# Altium PCB Motor_Controller_v2_1b.PcbDoc (part 2 of 2) (continued)
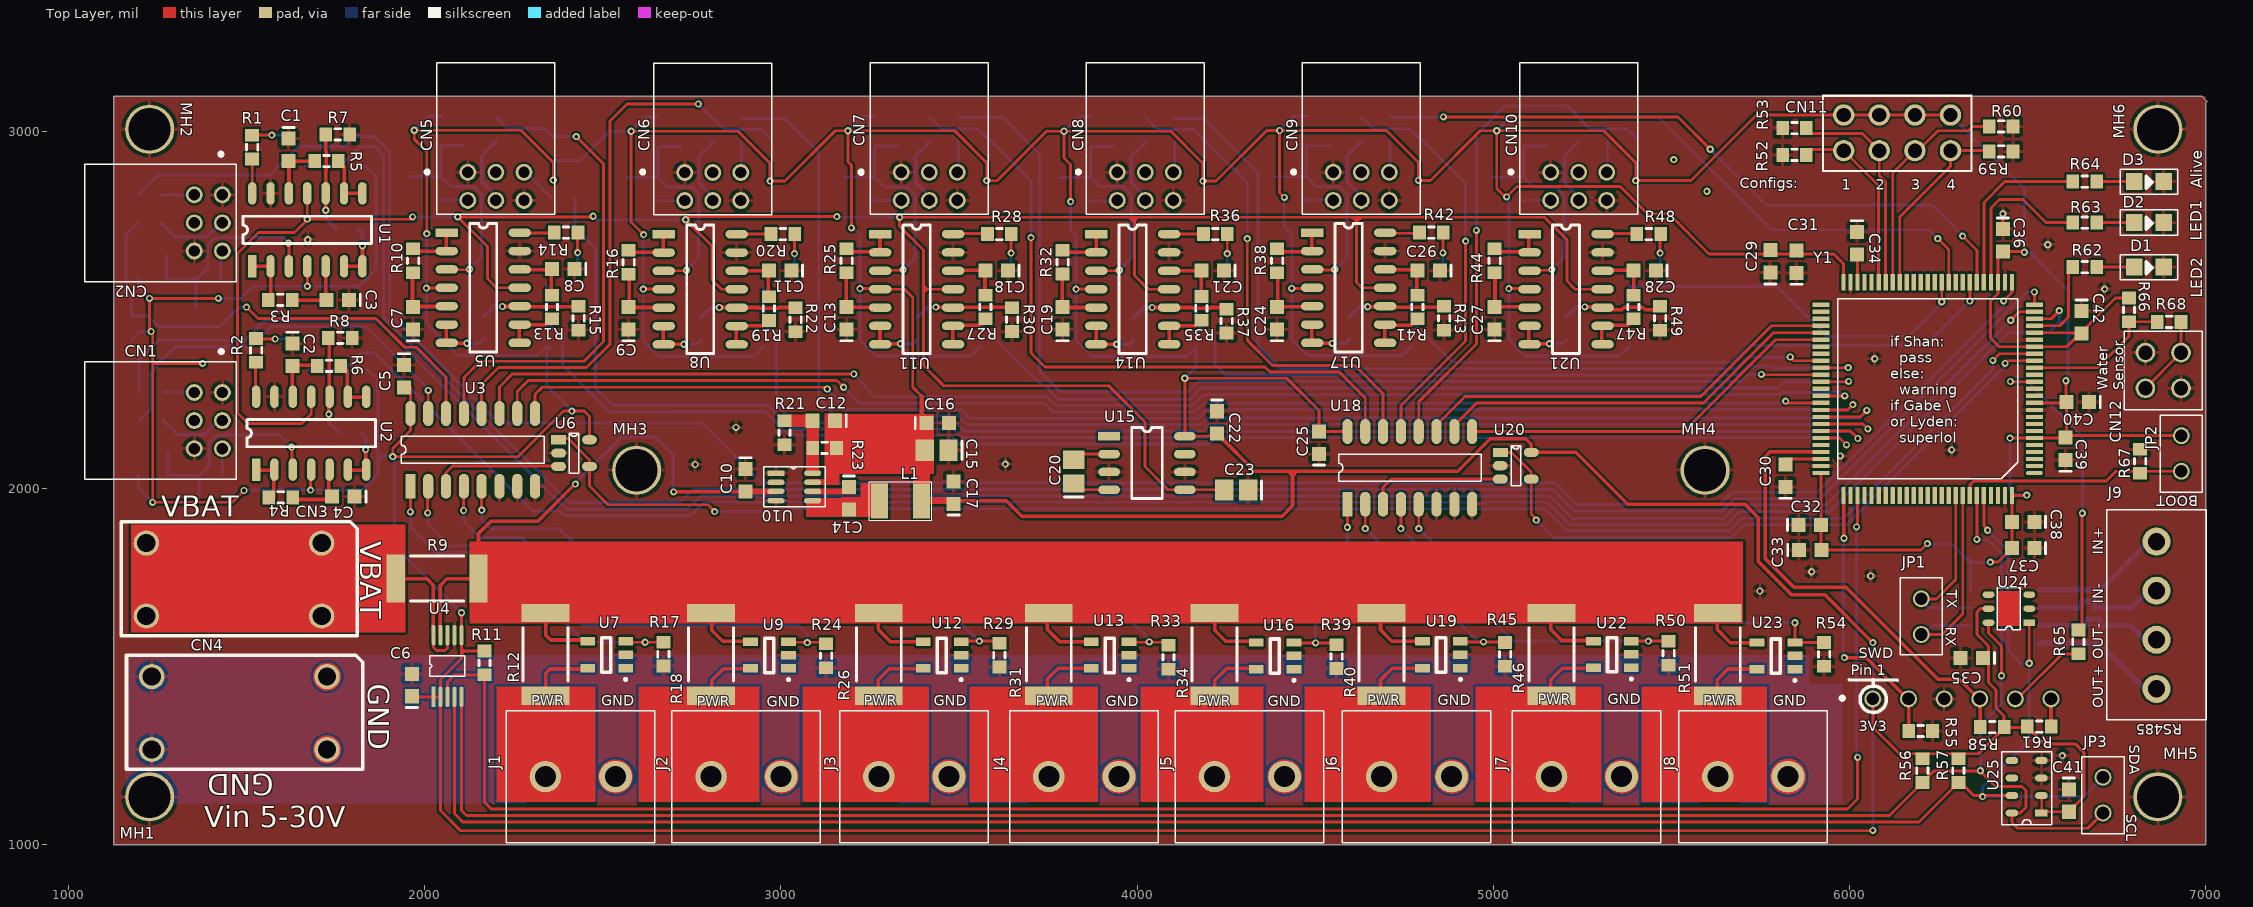
[diagram p0: Top Layer view]
## Nets (pads, with @x,y where several pads share a name; then routed paths per layer and width w, separated by ;. In a path a pad name is that pad's centre, name@x,y a point inside that pad or via, vN(x,y) a via of type N, cw(c..) or ccw(c..) an arc to the next point about the centre after c; other vN are vias at no path point) (continued)
NetJ3_2: J3.2 R26.1 U12.5 | length 187.6
  Top Layer w10: R26.1@3273,1417.86 3273,1462 3304,1493 U12.5@3403.6,1493
NetJ4_2: J4.2 R31.1 U13.5 | length 187.6
  Top Layer w10: R31.1@3747,1418.86 3747,1463 3778,1494 U13.5@3877.6,1494
NetJ5_2: J5.2 R34.1 U16.5 | length 188.8
  Top Layer w10: R34.1@4218,1415.86 4218,1460 4252,1494 U16.5@4348.6,1494
NetJ6_2: J6.2 R40.1 U19.5 | length 188.4
  Top Layer w10: R40.1@4683,1416.86 4683,1461 4716,1494 U19.5@4813.6,1494
NetJ7_2: J7.2 R46.1 U22.5 | length 188
  Top Layer w10: R46.1@5161,1417.86 5161,1462 5193,1494 U22.5@5291.6,1494
NetJ8_2: J8.2 R51.1 U23.5 | length 168.4
  Top Layer w10: R51.1@5628,1417.86 5628,1462 5658,1492 U23.5@5739.85,1492
NetJP1_1: JP1.1 U26.2 Y1.92 | length 501
  Top Layer w8: JP1.1@6201,1688.95 6243.95,1688.95 6297.79,1742.79 Y1.92@6297.79,1979.24
  Bottom Layer w8: JP1.1@6201,1683 6219.85,1664.15 U26.2@6338.68,1664.15
NetJP1_2: JP1.2 U26.3 Y1.93 | length 623.6
  Top Layer w8: JP1.2@6201,1588.95 6259.95,1588.95 6317.47,1646.47 Y1.93@6317.47,1979.24
  Bottom Layer w8: JP1.2@6201,1583 6232.15,1614.15 U26.3@6338.68,1614.15
NetQ1_1: Q1.1 R48.2 | length 111.8
  Top Layer w8: v1(5467.85,2659.47) R48.2@5467.85,2714.55
  Bottom Layer w8: Q1.1@5467.85,2602.74 v1(5467.85,2659.47)
NetQ2_1: Q2.1 R42.2 | length 111.8
  Top Layer w8: v1(4858.09,2660.17) R42.2@4858.09,2715.24
  Bottom Layer w8: Q2.1@4858.09,2603.43 v1(4858.09,2660.17)
NetQ3_1: Q3.1 R36.2 | length 111.8
  Top Layer w8: v1(4252.97,2657.91) R36.2@4252.97,2712.98
  Bottom Layer w8: Q3.1@4252.97,2601.17 v1(4252.97,2657.91)
NetQ4_1: Q4.1 R28.2 | length 111.8
  Top Layer w8: v1(3646.28,2659.24) R28.2@3646.28,2714.32
  Bottom Layer w8: Q4.1@3646.28,2602.51 v1(3646.28,2659.24)
NetQ5_1: Q5.1 R20.2 | length 111.8
  Top Layer w8: v1(3038.07,2657.99) R20.2@3038.07,2713.07
  Bottom Layer w8: Q5.1@3038.07,2601.26 v1(3038.07,2657.99)
NetQ6_1: Q6.1 R14.2 | length 111.8
  Top Layer w8: v1(2429.3,2660.68) R14.2@2429.3,2715.76
  Bottom Layer w8: Q6.1@2429.3,2603.94 v1(2429.3,2660.68)
NetQ7_1: Q7.1 R2.2 | length 111.8
  Top Layer w8: R2.2@1524.98,2418.34 v1(1580.06,2418.34)
  Bottom Layer w8: v1(1580.06,2418.34) Q7.1@1636.8,2418.34
NetQ8_1: Q8.1 R1.2 | length 111.8
  Top Layer w8: R1.2@1516.05,2990.78 v1(1571.13,2990.78)
  Bottom Layer w8: v1(1571.13,2990.78) Q8.1@1627.86,2990.78
NetR3_1: R3.1 U1.1 U1.2 | length 146.9
  Top Layer w10: U1.1@1516.05,2622.59 1567.62,2622.59 R3.1@1567.62,2527.32
NetR4_1: R4.1 U2.1 U2.2 | length 130.7
  Top Layer w10: U2.1@1524.98,2050.15 1576.56,2050.15 R4.1@1576.56,1971
NetR5_2: R5.2 U1.8 U1.9 | length 148.3
  Top Layer w10: R5.2@1757.66,2917.32 1773.92,2901.06 1773.92,2827.32 U1.8@1825.5,2827.32
NetR6_2: R6.2 U2.8 U2.9 | length 148.3
  Top Layer w10: R6.2@1766.6,2344.87 1782.86,2328.61 1782.86,2254.87 U2.8@1834.43,2254.87
NetR10_1: R10.1 U5.1 U5.2 | length 146.9
  Top Layer w10: R10.1@1965.83,2664.18 2061.11,2664.18 U5.1@2061.11,2715.76
NetR11_1: R11.1 U4.3 Y1.78 | length 5240.1
  Top Layer w8: U4.3@2064,1413.77 2064,1456 2083.54,1475.54 R11.1@2168,1475.54 2168,1118 2187,1099 5994,1099 6022,1127 v1(6022,1244) ; v1(6019,1891) 6022.2,1894.2 Y1.78@6022.2,1979.24
  Bottom Layer w8: v1(6019,1891) 6019,1247 v1(6022,1244)
NetR13_2: R13.2 U5.8 U5.9 | length 148.3
  Top Layer w10: U5.8@2265.83,2406.31 2265.83,2457.88 2339.57,2457.88 R13.2@2355.83,2474.14
NetR16_1: R16.1 U8.1 U8.2 | length 146.9
  Top Layer w10: R16.1@2574.61,2661.5 2669.88,2661.5 U8.1@2669.88,2713.07
NetR19_2: R19.2 U8.8 U8.9 | length 148.3
  Top Layer w10: U8.8@2874.61,2403.62 2874.61,2455.2 2948.35,2455.2 R19.2@2964.61,2471.46
NetR25_1: R25.1 U11.1 U11.2 | length 146.9
  Top Layer w10: R25.1@3182.81,2662.75 3278.09,2662.75 U11.1@3278.09,2714.32
NetR27_2: R27.2 U11.8 U11.9 | length 148.3
  Top Layer w10: U11.8@3482.81,2404.87 3482.81,2456.45 3556.55,2456.45 R27.2@3572.81,2472.71
NetR32_1: R32.1 U14.1 U14.2 | length 146.9
  Top Layer w10: R32.1@3789.5,2661.41 3884.78,2661.41 U14.1@3884.78,2712.98
NetR35_2: R35.2 U14.8 U14.9 | length 148.3
  Top Layer w10: U14.8@4089.5,2403.54 4089.5,2455.11 4163.24,2455.11 R35.2@4179.5,2471.37
NetR38_1: R38.1 U17.1 U17.2 | length 146.9
  Top Layer w10: R38.1@4394.63,2663.67 4489.91,2663.67 U17.1@4489.91,2715.24
NetR41_2: R41.2 U17.8 U17.9 | length 148.3
  Top Layer w10: U17.8@4694.63,2405.8 4694.63,2457.37 4768.37,2457.37 R41.2@4784.63,2473.63
NetR44_1: R44.1 U21.1 U21.2 | length 146.9
  Top Layer w10: R44.1@5004.39,2662.98 5099.66,2662.98 U21.1@5099.66,2714.55
NetR47_2: R47.2 U21.8 U21.9 | length 148.3
  Top Layer w10: U21.8@5304.39,2405.1 5304.39,2456.68 5378.13,2456.68 R47.2@5394.39,2472.94
NetR66_2: R66.2 R68.1 Y1.16 | length 415.5
  Top Layer w8: Y1.16@6518.26,2337.5 6695.5,2337.5 6784,2426 R66.2@6784,2466.54 R68.1@6856.54,2466.54
NetU3_3: U3.3 U6.3 | length 362.8
  Top Layer w8: U3.3@2060,2005 2060,2044 2078,2062 U6.3@2376.39,2062
NetU6_1: U6.1 U6.4 Y1.18 | length 4517
  Top Layer w8: U6.1@2376.39,2138.8 2403.2,2138.8 2463,2079 U6.4@2463,2064 ; U6.4@2462.61,2060.6 2462.61,2005.39 2515,1953 2795,1953 v1(2814,1934) ; v1(6402,2358.19) 6420.69,2376.87 Y1.18@6518.26,2376.87
  Bottom Layer w8: v1(2814,1934) 3013,1934 3021,1942 5144,1942 5207,1879 5661.54,1879 5697.54,1915 5983.6,1915 6402,2333.4 v1(6402,2358.19)
NetU18_3: U18.3 U20.3 | length 386.4
  Top Layer w8: U18.3@4690.24,1954.49 4690.24,2002.24 4713.2,2025.2 U20.3@5019.39,2025.2
NetU20_1: U20.1 U20.4 Y1.17 | length 1876.1
  Top Layer w8: U20.1@5019.39,2100 5051,2100 5106,2045 U20.4@5106,2025.2 5106,1927 v1@5119.5,1913.5 ; v1(6436,2349.97) 6443.22,2357.19 Y1.17@6518.26,2357.19
  Bottom Layer w8: v1(5120,1910) 5170,1860 5668,1860 5705,1897 5991.06,1897 6436,2341.94 v1(6436,2349.97)
NRST: R65.2 Y1.14 | length 878.3
  Top Layer w8: v1(6451,2299) 6451.87,2298.13 Y1.14@6518.26,2298.13 ; R65.2@6652,1601.46 v1@6652,1931
  Bottom Layer w8: v1@6451,2298 6500,2298 6653,2145 v1(6653,1929.19)
pole_M1: CN1.6 R107.2 | length 76.9
  Bottom Layer w8: CN1.6@1431.87,2111.13 1431.87,2036.53 R107.2@1433.53,2034.87
pole_M2: CN2.6 R108.2 | length 76.9
  Bottom Layer w8: CN2.6@1426.94,2663.57 1426.94,2588.97 R108.2@1428.59,2587.32
pole_M3: CN5.6 R103.2 | length 76.9
  Bottom Layer w8: R103.2@2045.83,2807.21 2047.49,2808.87 CN5.6@2122.09,2808.87
pole_M4: CN6.6 R97.2 | length 76.9
  Bottom Layer w8: R97.2@2654.61,2804.53 2656.26,2806.18 CN6.6@2730.87,2806.18
pole_M5: CN7.6 R91.2 | length 76.9
  Bottom Layer w8: R91.2@3262.81,2805.78 3264.46,2807.43 CN7.6@3339.07,2807.43
pole_M6: CN8.6 R85.2 | length 76.9
  Bottom Layer w8: R85.2@3869.5,2804.44 3871.16,2806.09 CN8.6@3945.76,2806.09
pole_M7: CN9.6 R79.2 | length 76.9
  Bottom Layer w8: R79.2@4474.63,2806.7 4476.28,2808.35 CN9.6@4550.89,2808.35
pole_M8: CN10.6 R73.2 | length 76.9
  Bottom Layer w8: R73.2@5084.39,2806.01 5086.04,2807.66 CN10.6@5160.65,2807.66
red: R63.2 Y1.29 | length 475.7
  Top Layer w8: Y1.29@6396.21,2577.66 6396.21,2786.21 6420,2810 6486,2810 6551,2745 R63.2@6626.54,2745
RPM1: Q7.3 R105.1 Y1.23 | length 5513.2
  Top Layer w8: Y1.23@6518.26,2475.3 6565.48,2475.3 v1(6588,2497.82)
  Bottom Layer w8: Q7.3@1674.2,2331.72 R105.1@1773.47,2331.72 ; R105.1@1772.88,2331.13 R105.1@1773.47,2331.72 ; R105.1@1774.67,2331.72 R105.1@1773.47,2331.72 ; v1@6589,2497.82 6589,2466 6559.36,2436.36 6446.23,2436.36 5943.87,1934 5691.09,1934 5654.09,1897 5214.46,1897 5151.46,1960 2784,1960 2747.1,1923.1 2389.44,1923.1 2376.54,1936 2303,1936 1860,2379 1820.75,2379 R105.1@1773.47,2331.72
RPM2: Q8.3 R106.1 Y1.25 | length 5881
  Top Layer w8: Y1.25@6518.26,2514.89 v1(6518.26,2550.19)
  Bottom Layer w8: Q8.3@1665.26,2904.17 R106.1@1765.73,2904.17 ; R106.1@1765.82,2905.87 1766.87,2905.87 1819,2958 1859,2958 1884,2933 1884,2480 2404.9,1959.1 2717.1,1959.1 2754,1996 5166.37,1996 5226.37,1936 5642.18,1936 5676.18,1970 5917,1970 6499,2552 v1@6515,2552
RPM3: Q6.3 R101.1 Y1.70 | length 4032
  Top Layer w8: Y1.70@5919.84,2140.65 5971.35,2140.65 v1(5991,2121)
  Bottom Layer w8: R101.1@2341.71,2466.75 2387,2421.46 2387,2345 2518,2214 2694.65,2214 2695.65,2215 2956.09,2215 3023.09,2148 3475.81,2148 3499.81,2124 4201.1,2124 4218.1,2141 5971,2141 v1(5991,2121) ; R101.1@2342.69,2466.07 Q6.3@2342.69,2566.54
RPM4: Q5.3 R94.1 Y1.68 | length 3588.2
  Top Layer w8: Y1.68@5919.84,2180.02 6036.98,2180.02 v1(6051,2166)
  Bottom Layer w8: R94.1@2950.6,2462.47 2988.08,2425 2988.08,2233.92 3038,2184 3490.72,2184 3514.72,2160 4186.19,2160 4205.01,2178.82 6038.18,2178.82 v1(6051,2166) ; R94.1@2951.46,2463.39 Q5.3@2951.46,2563.86
RPM5: Q4.3 R88.1 Y1.62 | length 2716
  Top Layer w8: Y1.62@5919.84,2298.13 5995.63,2298.13 v1(5997,2299.5)
  Bottom Layer w8: R88.1@3558.24,2462.82 3734.06,2287 3741.54,2287 3778.54,2250 4148.91,2250 4179.85,2280.94 5797.54,2280.94 5814.6,2298 v1@5988,2298 ; R88.1@3559.66,2464.64 Q4.3@3559.66,2565.11
RPM6: Q3.3 R82.1 Y1.60 | length 2117.9
  Top Layer w8: Y1.60@5919.84,2337.5 5995.69,2337.5 v1(5996,2337.82)
  Bottom Layer w8: R82.1@4164.54,2462.82 4218,2409.36 4218,2348 4249.06,2316.94 5688.03,2316.94 5714.09,2343 5780,2343 5786,2337 v1@5996,2337 ; R82.1@4166.35,2463.3 Q3.3@4166.35,2563.77
RPM7: Q2.3 R76.1 Y1.32 | length 1837.7
  Top Layer w8: v1(6337.16,2525.03) Y1.32@6337.16,2577.66
  Bottom Layer w8: R76.1@4770.84,2466.76 R76.1@4771.48,2466.12 ; R76.1@4771.48,2465.56 R76.1@4771.48,2466.12 ; Q2.3@4771.48,2566.03 R76.1@4771.48,2466.12 ; v1@6337,2525 6212,2400 5720.18,2400 5673.11,2352.94 4884.66,2352.94 R76.1@4771.48,2466.12
RPM8: Q1.3 R70.1 Y1.36 | length 1131.3
  Top Layer w8: v1(6258.42,2522.77) Y1.36@6258.42,2577.66
  Bottom Layer w8: Q1.3@5381.08,2565.18 Q1.3@5381.24,2565.18 ; R70.1@5381.24,2464.87 Q1.3@5381.24,2565.18 ; Q1.3@5381.24,2565.34 Q1.3@5381.24,2565.18 ; v1@6260,2521 6165,2426 5936,2426 5796.82,2565.18 Q1.3@5381.24,2565.18
RS485_IN_N: J9.2 U26.7 | length 356.1
  Bottom Layer w15: U26.7@6531.59,1664.15 6633.64,1664.15 6651.14,1664.15 6651.14,1682.33 6686.14,1682.33 6686.14,1664.15 6711.64,1664.15 6791,1664.15 J9.2@6833.64,1706.78
RS485_IN_P: J9.1 U26.8 | length 356.1
  Bottom Layer w15: U26.8@6531.59,1714.15 6703.21,1714.15 J9.1@6833.64,1844.57
RS485_OUT_N: J9.3 U26.6 | length 357.1
  Bottom Layer w15: U26.6@6531.59,1614.15 6649.64,1614.15 6667.14,1614.15 6667.14,1632.33 6702.14,1632.33 6702.14,1614.15 6752.64,1614.15 6788.48,1614.15 J9.3@6833.64,1568.98
RS485_OUT_P: J9.4 U26.5 | length 357.1
  Bottom Layer w15: U26.5@6531.59,1564.15 6700.68,1564.15 J9.4@6833.64,1431.19
SCL: JP3.1 R56.1 U4.5 U24.6 U25.8 Y1.95 | length 6201.6
  Top Layer w8: U4.5@2103.37,1413.77 2103.37,1094.63 2117,1081 6111.46,1081 R56.1@6204,1173.54 6235.72,1205.25 6365.75,1205.25 6408.84,1162.16 6483.84,1162.16 6495,1151 6495,1104 6478.57,1087.57 U25.8@6455.32,1087.57 6455.32,1060.68 6471,1045 6668,1045 JP3.1@6711,1088 ; v1(6356.84,1856) Y1.95@6356.84,1979.24 ; U24.6@6389.83,1622 6389.83,1593.17 6426,1557 v1(6426,1473)
  Bottom Layer w8: v1@6359,1855 6388,1855 6426,1817 v1(6426,1473) ; v1(6366.75,1206.25) 6366.75,1334.75 6425,1393 v1@6425,1479
SDA: JP3.2 R57.1 U4.4 U24.1 U25.7 Y1.96 | length 6210.2
  Top Layer w8: U4.4@2083.68,1413.77 2083.68,1086.32 2107,1063 6194.46,1063 R57.1@6305,1173.54 6311.46,1173.54 6348.21,1136.79 U25.7@6455.32,1136.79 ; Y1.96@6376.53,1979.24 6376.53,1893.93 6387,1883.46 v1(6387,1881.46) ; v1(6504,1508) U24.1@6504,1622
  Bottom Layer w8: v1(6387,1881.46) 6444,1824.46 6444,1545 6481,1508 v1(6504,1508) 6504,1292 6373,1161 v1(6373,1133.79) 6656.79,1133.79 JP3.2@6711,1188
Signal_In_M1: D17.A D18.K R107.1 R109.2 U2.3 | length 637.2
  Top Layer w8: v1(1626.6,2114.87) 1628.13,2113.34 U2.3@1628.13,2050.15
  Bottom Layer w8: D18.K@1279.47,2099.87 1279.47,2034.87 R107.1@1364.67,2034.87 ; R109.2@1366.6,1972 1366.6,2034.87 1394.25,2062.53 1394.25,2126.72 1416.29,2148.76 1592.72,2148.76 v1(1626.6,2114.87)
Signal_In_M2: D16.K D19.A R108.1 R110.2 U1.3 | length 646.5
  Top Layer w8: v1(1617.66,2687.32) 1619.2,2685.78 U1.3@1619.2,2622.59
  Bottom Layer w8: D16.K@1274.54,2652.32 1274.54,2587.32 R108.1@1359.73,2587.32 ; R110.2@1357.46,2505 1357.46,2583.75 R108.1@1360.37,2586.65 ; R108.1@1361.66,2587.32 1391.21,2616.87 1391.21,2680.98 1391.17,2681.02 1411.35,2701.2 1414.93,2701.2 1416.75,2703.02 1601.96,2703.02 v1(1617.66,2687.32)
Signal_In_M3: D14.K D15.A R103.1 R104.2 U5.3 | length 659.4
  Top Layer w8: U5.3@2061.11,2612.61 2124.3,2612.61 v1(2125.83,2614.14)
  Bottom Layer w8: R104.2@1960.83,2874.14 2045.83,2874.14 2073.49,2846.49 2137.68,2846.49 2159.72,2824.45 2159.72,2648.02 v1(2125.83,2614.14) ; R103.1@2045.83,2876.07 2045.83,2961.27 D14.K@2110.83,2961.27
Signal_In_M4: D12.K D13.A R97.1 R98.2 U8.3 | length 663.3
  Top Layer w8: U8.3@2669.88,2609.92 2733.07,2609.92 v1(2734.61,2611.46)
  Bottom Layer w8: R98.2@2569.61,2871.46 2654.61,2871.46 2681.48,2844.58 2752.42,2844.58 2768.49,2828.51 2768.49,2645.34 v1(2734.61,2611.46) ; R97.1@2654.61,2873.39 2654.61,2958.58 D12.K@2719.61,2958.58
Signal_In_M5: D10.K D11.A R91.1 R92.2 U11.3 | length 659.4
  Top Layer w8: U11.3@3278.09,2611.17 3341.28,2611.17 v1(3342.81,2612.71)
  Bottom Layer w8: R92.2@3177.81,2872.71 3262.81,2872.71 3290.46,2845.06 3354.65,2845.06 3376.69,2823.02 3376.69,2646.59 v1(3342.81,2612.71) ; R91.1@3262.81,2874.64 3262.81,2959.83 D10.K@3327.81,2959.83
Signal_In_M6: D8.K D9.A R85.1 R86.2 U14.3 | length 659.4
  Top Layer w8: U14.3@3884.78,2609.83 3947.97,2609.83 v1(3949.5,2611.37)
  Bottom Layer w8: R86.2@3784.5,2871.37 3869.5,2871.37 3893.87,2847 3958.06,2847 3983.39,2821.68 3983.39,2645.25 v1(3949.5,2611.37) ; R85.1@3869.5,2873.3 3869.5,2958.5 D8.K@3934.5,2958.5
Signal_In_M7: D6.K D7.A R79.1 R80.2 U17.3 | length 659.4
  Top Layer w8: U17.3@4489.91,2612.09 4553.09,2612.09 v1(4554.63,2613.63)
  Bottom Layer w8: R80.2@4389.63,2873.63 4474.63,2873.63 4502.28,2845.98 4566.47,2845.98 4588.51,2823.94 4588.51,2647.51 v1(4554.63,2613.63) ; R79.1@4474.63,2875.56 4474.63,2960.76 D6.K@4539.63,2960.76
Signal_In_M8: D4.K D5.A R73.1 R74.2 U21.3 | length 659.4
  Top Layer w8: U21.3@5099.66,2611.4 5162.85,2611.4 v1(5164.39,2612.94)
  Bottom Layer w8: R74.2@4999.39,2872.94 5084.39,2872.94 5112.04,2845.28 5176.23,2845.28 5198.27,2823.24 5198.27,2646.82 v1(5164.39,2612.94) ; R73.1@5084.39,2874.87 5084.39,2960.06 D4.K@5149.39,2960.06
Signal_Out_M1: R2.1 U2.14 | length 96.5
  Top Layer w8: U2.14@1524.98,2254.87 R2.1@1524.98,2351.41
Signal_Out_M2: R1.1 U1.14 | length 96.5
  Top Layer w8: U1.14@1516.05,2827.32 R1.1@1516.05,2923.85
Signal_Out_M3: R14.1 U5.14 | length 96.5
  Top Layer w8: U5.14@2265.83,2715.76 R14.1@2362.37,2715.76
Signal_Out_M4: R20.1 U8.14 | length 96.5
  Top Layer w8: U8.14@2874.61,2713.07 R20.1@2971.14,2713.07
Signal_Out_M5: R28.1 U11.14 | length 96.5
  Top Layer w8: U11.14@3482.81,2714.32 R28.1@3579.35,2714.32
Signal_Out_M6: R36.1 U14.14 | length 96.5
  Top Layer w8: U14.14@4089.5,2712.98 R36.1@4186.04,2712.98
Signal_Out_M7: R42.1 U17.14 | length 96.5
  Top Layer w8: U17.14@4694.63,2715.24 R42.1@4791.17,2715.24
Signal_Out_M8: R48.1 U21.14 | length 96.5
  Top Layer w8: U21.14@5304.39,2714.55 R48.1@5400.92,2714.55
SWCLK: CN13.2 R55.2 Y1.76 | length 773.8
  Top Layer w10: Y1.76@5982.83,1979.24 5982.83,1860.17 v1(5984,1859) ; v1(5985,1524) 6046.58,1524 6165.58,1405 R55.2@6165.58,1318
  Bottom Layer w10: v1@5982,1859 5982,1527 v1(5985,1524)
SWDIO: CN13.4 R58.1 Y1.72 | length 1302.8
  Top Layer w10: Y1.72@5919.84,2101.28 5776,2101.28 5763,2088.28 5763,1802 5844,1721 5990,1721 6248,1463 6307.58,1463 6366.12,1404.46 R58.1@6366.12,1318
SWO: CN13.6 R61.1 | length 85.5
  Top Layer w10: R61.1@6565.05,1319 CN13.6@6565.05,1404.46
Temp_Multpexer_Ctrl1: U18.9 Y1.56 | length 1086.2
  Top Layer w8: U18.9@4940.24,2158.82 5534.82,2158.82 5792,2416 5874,2416 5874.24,2416.24 Y1.56@5919.84,2416.24
Temp_Multpexer_Ctrl2: U18.10 Y1.55 | length 1154.6
  Top Layer w8: U18.10@4890.24,2158.82 4890.24,2176.24 4953,2239 5589.54,2239 5786.47,2435.93 Y1.55@5919.84,2435.93
Temp_Multpexer_Ctrl3: U18.11 Y1.54 | length 1213.3
  Top Layer w8: U18.11@4840.24,2158.82 4840.24,2177.24 4920,2257 5582.09,2257 5780.7,2455.61 Y1.54@5919.84,2455.61
Therm_ADC1: R111.1 R112.1 U3.15 | length 1118.1
  Top Layer w8: U3.15@2010,2209.33 v1(2010,2274)
  Bottom Layer w8: R112.1@1199.67,2189.87 1231.6,2221.8 1231.6,2324.87 1254.67,2347.94 R111.1@1254.67,2349.87 ; R111.1@1253.2,2350.82 1298.38,2396 1513,2396 1570,2453 1834,2453 v1@2009,2278
Therm_ADC2: R114.1 R116.1 U3.14 | length 1383.4
  Top Layer w8: v1(1500,2508) 1532,2476 1863,2476 1944,2395 1977,2395 2060,2312 U3.14@2060,2209.33
  Bottom Layer w8: R114.1@1195.02,2744.13 1162,2711.12 1162,2551 1177,2536 R116.1@1177,2482.46 1223.05,2482.46 1252.52,2453 1424,2453 1479,2508 v1(1500,2508)
Therm_ADC3: R100.1 R102.1 U3.13 | length 1392
  Top Layer w8: U3.13@2110,2209.33 2110,2310 2156,2356 2447,2356 2502,2411 2502,2910 v1(2425.57,2986.43)
  Bottom Layer w8: R102.1@2200.83,3041.07 2232.76,3009.14 2335.83,3009.14 2358.91,2986.07 R100.1@2360.83,2986.07 ; R100.1@2363.83,2984 R100.1@2361.39,2986.43 v1(2425.57,2986.43)
Therm_ADC4: R93.1 R96.1 U3.12 | length 1626
  Top Layer w8: U3.12@2160,2209.33 2160,2291 2207,2338 2454.46,2338 2520,2403.54 2520,3030 2568,3078 v1(2768.15,3078)
  Bottom Layer w8: v1@2766.15,3080 v1(2768.15,3078) R96.1@2808.87,3037.28 ; R96.1@2809.61,3038.39 2841.54,3006.46 2944.61,3006.46 2967.68,2983.39 R93.1@2969.61,2983.39
Therm_ADC5: R87.1 R90.1 U18.15 | length 1926.1
  Top Layer w8: v1(3702,2703) 3702,2379 3741,2340 4358.54,2340 4372.54,2326 4567,2326 4640.24,2252.76 U18.15@4640.24,2158.82
  Bottom Layer w8: R90.1@3417.81,3039.64 3449.74,3007.71 3552.81,3007.71 3575.88,2984.64 R87.1@3577.81,2984.64 ; R87.1@3577.93,2986.44 3702,2862.37 v1(3702,2703)
Therm_ADC6: R81.1 R84.1 U18.14 | length 1351.4
  Top Layer w8: v1(4309,2700) 4309,2415 4380,2344 4611,2344 4690.24,2264.76 U18.14@4690.24,2158.82
  Bottom Layer w8: R84.1@4024.5,3038.3 4056.43,3006.37 4159.5,3006.37 4182.58,2983.3 R81.1@4184.5,2983.3 ; R81.1@4184.23,2982.5 4309,2857.73 v1(4309,2700)
Therm_ADC7: R75.1 R78.1 U18.13 | length 1140.1
  Top Layer w8: U18.13@4740.24,2158.82 4740.24,2231.24 4922,2413 v1(4922,2693)
  Bottom Layer w8: R78.1@4629.63,3040.56 4661.56,3008.63 4764.63,3008.63 4787.7,2985.56 R75.1@4789.63,2985.56 ; R75.1@4790.53,2986.44 4922,2854.97 v1(4922,2693)
Therm_ADC8: R69.1 R72.1 U18.12 | length 1417.5
  Top Layer w8: U18.12@4790.24,2158.82 4790.24,2242.24 4952,2404 v1(4952,2723)
  Bottom Layer w8: v1(4952,2723) 4952,2993 5032,3073 5207.91,3073 R72.1@5239.35,3041.56 ; R72.1@5239.39,3039.87 5271.31,3007.94 5374.39,3007.94 5397.46,2984.87 R69.1@5399.39,2984.87
VCAP_1: C34.2 Y1.48 | length 78.3
  Top Layer w8: Y1.48@6022.2,2577.66 6022.2,2654.41 C34.2@6023.26,2655.47
VCAP_2: C30.2 Y1.73 | length 102.1
  Top Layer w8: C30.2@5817.76,2081.47 5817.88,2081.6 Y1.73@5919.84,2081.6
pads on no net: CN1.2 CN2.2 CN5.2 CN6.2 CN7.2 CN8.2 CN9.2 CN10.2 U7.1 U9.1 U10.2 U12.1 U13.1 U15.1 U15.7 U16.1 U19.1 U22.1 U23.1 U24.3 U24.4 U25.5 U25.6 Y1.1 Y1.2 Y1.3 Y1.4 Y1.5 Y1.7 Y1.8 Y1.9 Y1.12 Y1.13 Y1.15 Y1.33 Y1.34 Y1.37 Y1.38 Y1.39 Y1.40 Y1.41 Y1.46 Y1.47 Y1.51 Y1.52 Y1.53 Y1.57 Y1.58 Y1.63 Y1.71 Y1.77 Y1.79 Y1.80 Y1.81 Y1.82 Y1.83 Y1.84 Y1.85 Y1.86 Y1.87 Y1.88 Y1.89 Y1.90 Y1.91 Y1.97 Y1.98
copper on no net:
  other v1: 5599,2833 5506,2922

## Polygon pours and split planes (outlines as drawn)
GND on Top Layer "Top GND Plane" (solid, pour order 14): 1128,998 1128,3099 1127,3100 6999,3100 6999,1002 7000,1001
GND on Bottom Layer "Bot GND Plane" (solid, pour order 16): 7002,998 7001,997 1128,997 1128,3100 7000,3100

## Other copper
Top Layer:
  rectangle net NetC12_2: 3071,2035 3107,2135
  rectangle net 3V3: 3138,2092 3173,2208
  rectangle net NetC14_2: 3071,1918 3210,1972
  rectangle net NetC14_1: 3073,1982 3210,1998
  rectangle net 3V3: 3074,2008 3164,2026
  rectangle net 3V3: 3123,2009 3164,2209
  rectangle net NetC14_2: 3169,1918 3296,1975
  rectangle net NetC14_2: 3224,1918 3301,2014
  rectangle net 3V3: 3149.61,2040 3429,2208
  rectangle net Battery: 1176,1595 1946,1897
  rectangle net Battery-Shunted: 2126,1620 5701,1850
  rectangle net NetJ1_2: 2201.37,1119 2480,1443
  rectangle net NetJ2_2: 2600,1119 2940,1443
  rectangle net NetJ3_2: 3060,1119 3415,1443
  rectangle net NetJ4_2: 3530,1119 3890,1443
  rectangle net NetJ5_2: 4010,1119 4355,1443
  rectangle net NetJ6_2: 4470,1119 4825,1443
  rectangle net NetJ7_2: 4950,1119 5303.15,1443
  rectangle net NetJ8_2: 5415,1119 5768,1443
Bottom Layer:
  rectangle net GND: 1168,1248 5887,1531
  rectangle net GND: 1161,1115 2285,1311
  rectangle net GND: 2395,1119 2745,1443
  rectangle net GND: 2860,1119 3220,1443
  rectangle net GND: 3330,1114 3695,1438
  rectangle net GND: 3805,1119 4160,1443
  rectangle net GND: 4270,1119 4630,1443
  rectangle net GND: 4740,1119 5100,1443
  rectangle net GND: 5215,1115 5575,1439
  rectangle net GND: 5690,1115 5980,1450

## Silkscreen, mask and mechanical layers (free items; w line width, h text height)
Top Overlay:
  circle w10: c6066,1407 r37.12
  circle w10: c5979,1410.05 r5
  circle w10: c1429,2383.05 r5
  circle w10: c1428,2937.05 r5
  circle w10: c5049,2887.05 r5
  circle w10: c4439,2887.05 r5
  circle w10: c3835,2887.05 r5
  circle w10: c2612,2887.05 r5
  circle w10: c2007,2887.05 r5
  circle w10: c3225,2887.05 r5
  circle w10: c3225,2886.05 r5
  lines w10: 5999,1462 6134,1461 ; 6066,1444 6066,1462
  text "Configs:" at 5692,2841.99 h29.92
  text "Alive" at 6989,2842 h32 r90
  text "1" at 5978.01,2837 h29.92
  text "2" at 6073.03,2837 h29.92
  text "3" at 6173.03,2837 h29.92
  text "4" at 6273.03,2837 h29.92
  text "LED1" at 6988,2694 h32 r90
  text "LED2" at 6990,2534 h32 r90
  text "Water / Sensor" at 6769,2274 h29.92 r90
  text "if Shan: /   pass / else: /   warning / if Gabe \ / or Lyden: /   superlol" at 6114,2127 h29.92
  text "BOOT" at 6978,1979 h29.92 r180
  text "VBAT" at 1261,1920 h59.06
  text "VBAT" at 1819,1851 h59.06 r270
  text "IN+" at 6711,1812.3 h29.92 r90
  text "TX" at 6272,1715 h29.92 r270
  text "IN-" at 6711,1674.51 h29.92 r90
  text "RX" at 6270,1610 h29.92 r270
  text "SWD" at 6025,1522 h29.92
  text "OUT-" at 6711,1519.26 h29.92 r90
  text "Pin 1" at 6002.68,1474 h29.92
  text "GND" at 1841,1450 h59.06 r270
  text "PWR" at 5124.12,1393 h29.92
  text "GND" at 5320.97,1393 h29.92
  text "PWR" at 4646.12,1390 h29.92
  text "GND" at 4842.97,1390 h29.92
  text "PWR" at 2299.12,1389 h29.92
  text "GND" at 2495.97,1389 h29.92
  text "PWR" at 3232.12,1389 h29.92
  text "GND" at 3428.97,1389 h29.92
  text "PWR" at 5589.12,1389 h29.92
  text "GND" at 5785.97,1389 h29.92
  text "PWR" at 3715.12,1388 h29.92
  text "GND" at 3911.97,1388 h29.92
  text "PWR" at 4170.12,1388 h29.92
  text "GND" at 4366.97,1388 h29.92
  text "PWR" at 2763.12,1386 h29.92
  text "GND" at 2959.97,1386 h29.92
  text "OUT+" at 6711,1381.47 h29.92 r90
  text "RS485" at 6934,1337 h29.92 r180
  text "3V3" at 6025,1317 h29.92
  text "SDA" at 6785,1280 h29.92 r270
  text "GND" at 1577,1197 h59.06 r180
  text "SCL" at 6776,1085 h29.92 r270
  text "Vin 5-30V" at 1382,1048 h59.06
Bottom Overlay:
  circle w10: c5981,1409.05 r5
  circle w10: c2887,2029.96 r5
  lines w10: 2928,1995 2930,1997 3804,1997 3804,2150 2928,2150 2928,1995
  text "ADC" at 6966,2453 h29.92
  text "GND" at 6757,2419.88 h29.92 r90
  text "ADC" at 6759,2319.88 h29.92 r90
  text "Motor Controller V2.0 Rev A /  / Made On: Feb 18th, 2018" at 6580,2313 h64
  text "GND" at 6888,2240 h29.92 r180
  text "SWD Interface / Pin  Func" at 6071,2160 h29.92
  text "3V3" at 5906,2112 h29.92
  text "1" at 6037,2112 h29.92
  text "MOTOR_POLE" at 3253,2099 h29.92
  text "THERM_IN" at 3540,2099 h29.92
  text "GND" at 3705,2096.51 h29.92
  text "SWCLK" at 5935.91,2061 h29.92
  text "2" at 6041.99,2061 h29.92
  text "PWM_OUT" at 3764.82,2017.49 h29.92
  text "GND" at 3148.31,2015 h29.92
  text "NC" at 3452.76,2015 h29.92
  text "GND" at 5906,2008 h29.92
  text "3" at 6041.99,2008 h29.92
  text "SWDIO" at 5933.42,1961 h29.92
  text "4" at 6042,1961 h29.92
  text "NRST" at 5920.96,1915 h29.92
  text "5" at 6041.99,1915 h29.92
  text "SWO" at 5906,1864 h29.92
  text "6" at 6041.99,1864 h29.92
  text "AUVIC / 2018" at 5202,1731 h200
  text "Standard 6pin 3x2 Connector / When looking straight at connector / *Dot is lined with the pins on the PCB" at 3989.73,1718 h32
  text "1" at 6069.99,1482 h29.92
  text "2" at 6174.97,1482 h29.92
  text "3" at 6274.97,1482 h29.92
  text "4" at 6374.97,1482 h29.92
  text "5" at 6474.97,1482 h29.92
  text "6" at 6574.97,1482 h29.92
  text "SWD Interface" at 5990,1448 h29.92 r90
Top Solder:
  rectangle: 2124,1675 5710,1850
Bottom Solder:
  rectangle: 1160,1255 5885,1530
Mechanical 1:
  lines w10: 1130,1000 1130,3100 7000,3100 7000,1000 1130,1000